# Altium PCB IMX6 DEV BOARD.PcbDoc (part 2 of 12) (continued)
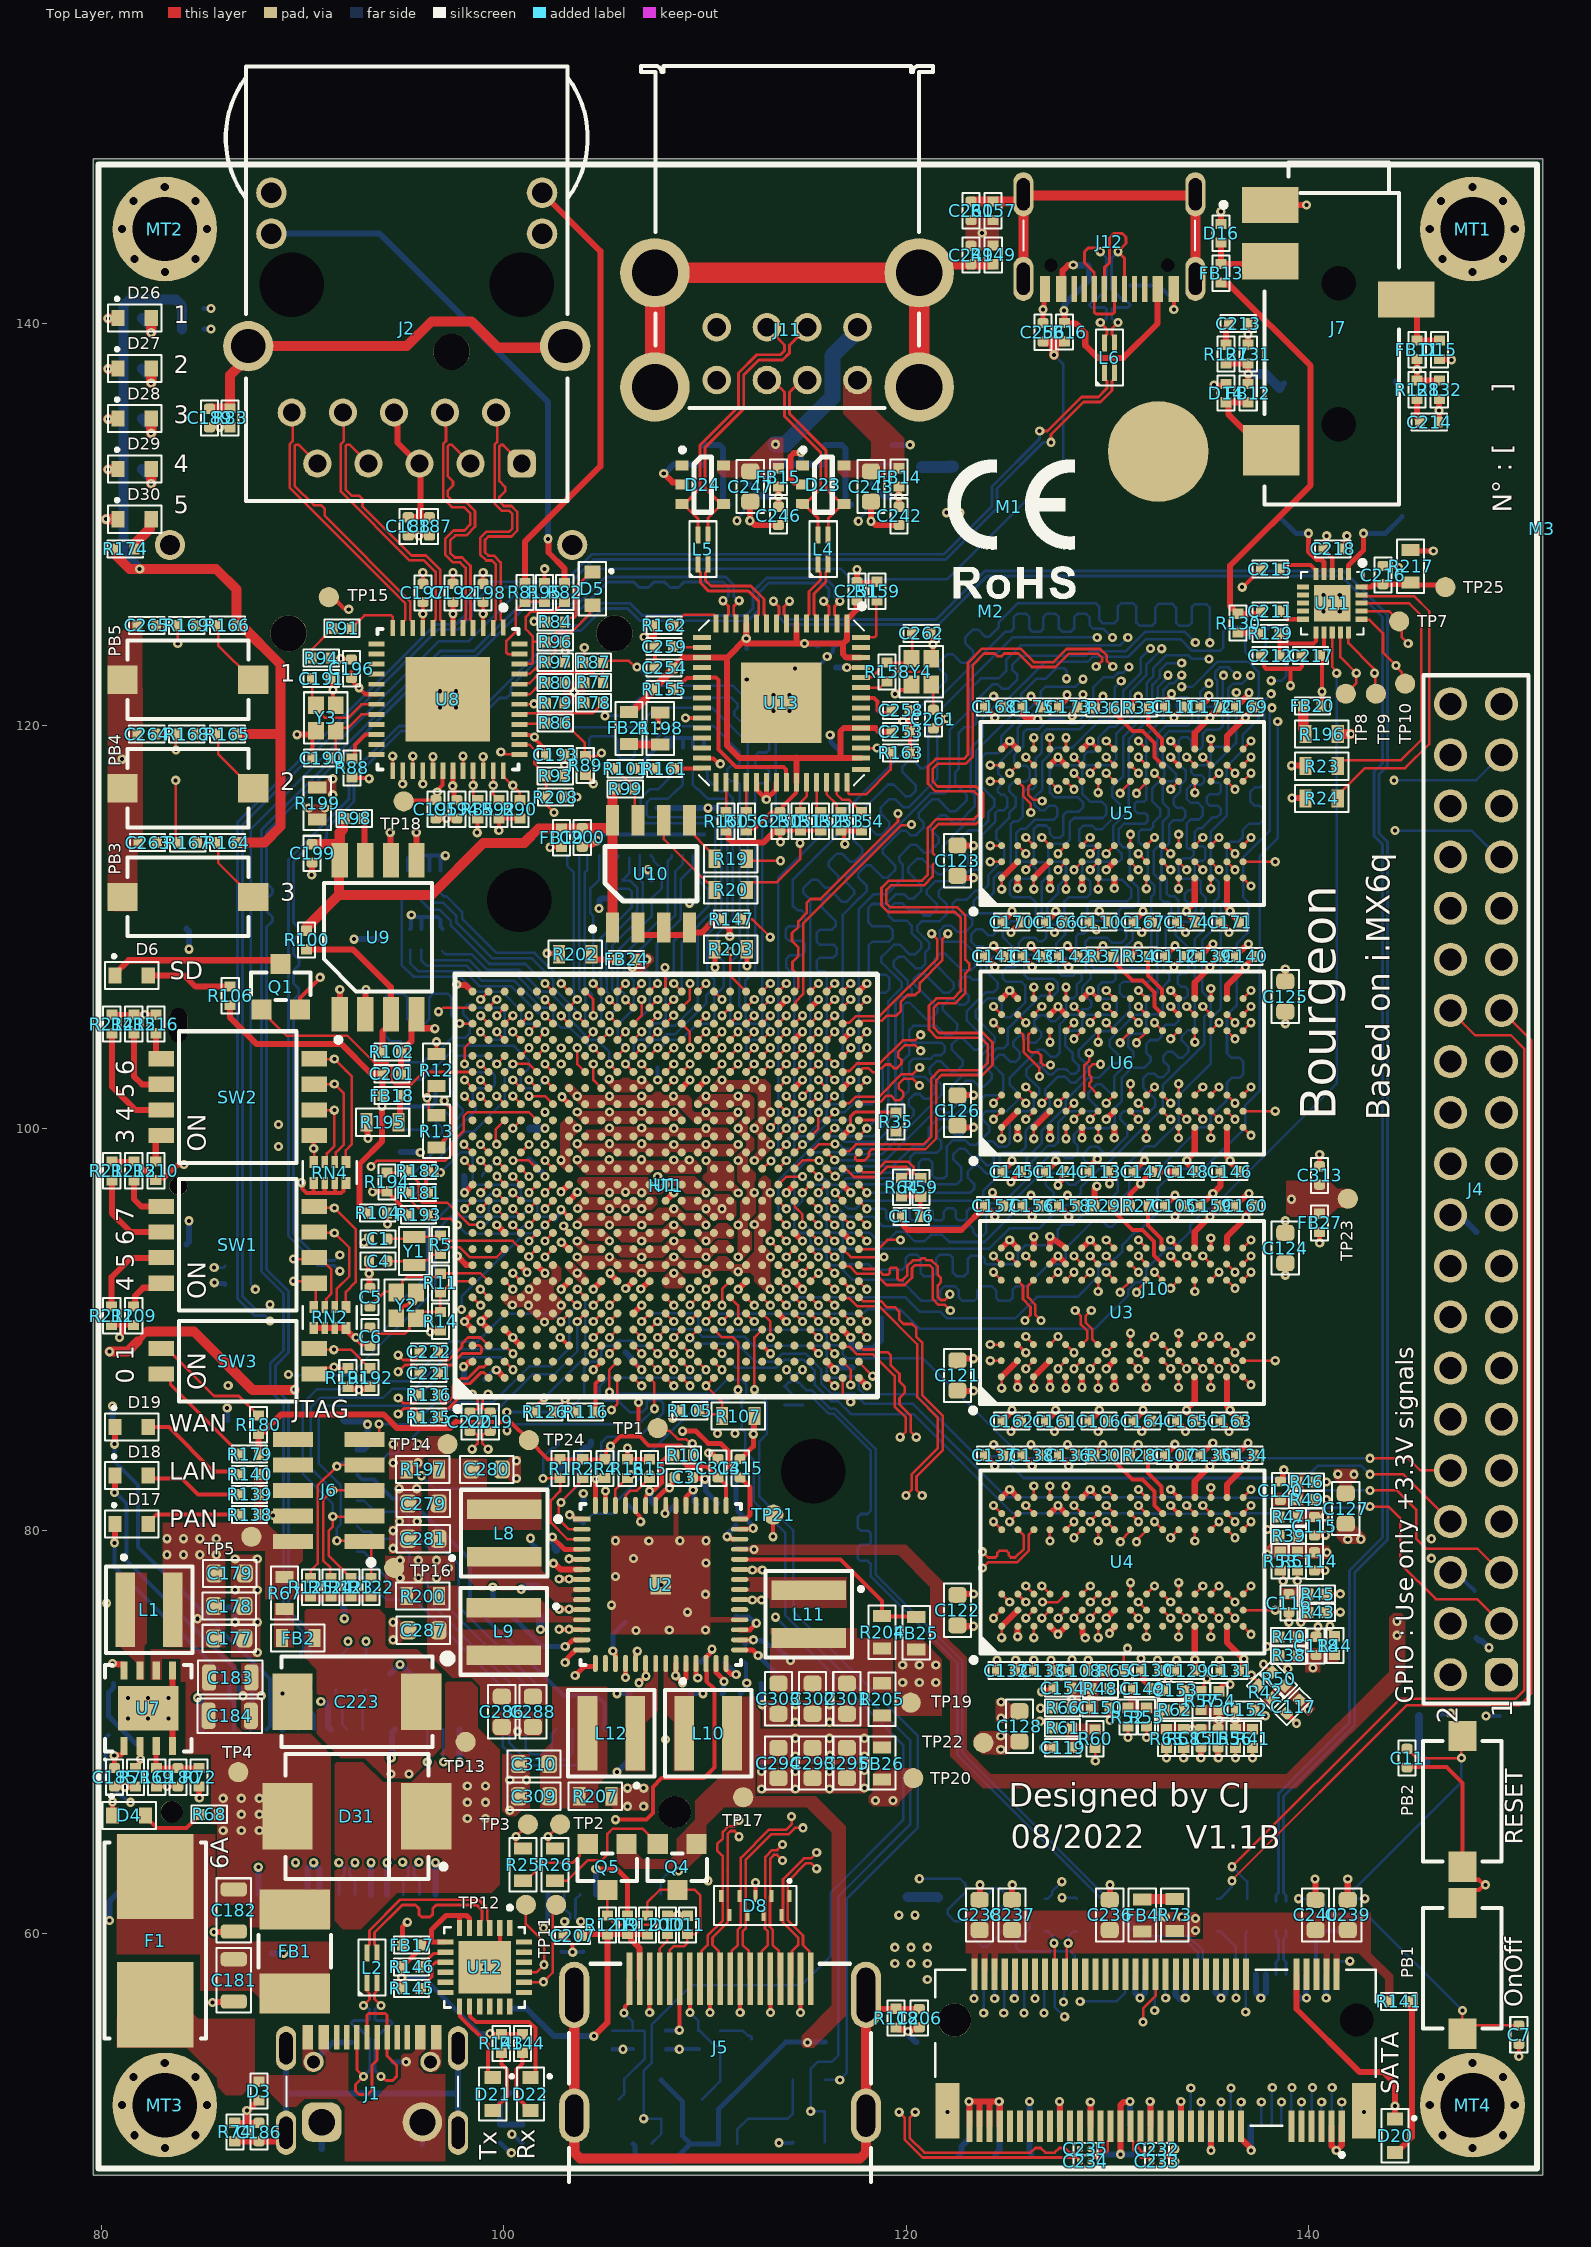
[diagram p0: Top Layer view]
## Footprints (in the part's own frame and the unit in brackets; to place one, negate y for a bottom-side part, rotate by r counter-clockwise, add the part's x,y. Pads: shape width x height; smd on the part's side, far side on the other; paste and mask are expansions set on the pad) (continued)
  silkscreen extent -11.27,-10.5 10.5,10.5, body extent -10.5,-10.5 10.5,10.5, height 2.03
"Fuse 1812/4532 MF-MSMF050-2" [mm]
  rect 1.5x3.2 smd: 1(0,0) 2(4.2,0)
  silkscreen extent 0.9,-1.6 3.3,1.6, body extent -0.17,-1.64 4.38,1.6, height 0.71
"Fuse holder SMD 01550900M" [mil]
  rect 167x150 smd paste+0 mask+0: 1(-120.5,5) 2(130.5,5)
  silkscreen extent -187,-94 197,104, body extent -208,-98 218,108, height 10
HDMI_685119134923 [mm]
  rect 0.28x2.6 smd: 1(4.5,5.325) 2(4,5.325) 3(3.5,5.325) 4(3,5.325) 5(2.5,5.325) 6(2,5.325) 7(1.5,5.325) 8(1,5.325) 9(0.5,5.325) 10(0,5.325) 11(-0.5,5.325) 12(-1,5.325) 13(-1.5,5.325) 14(-2,5.325) 15(-2.5,5.325) 16(-3,5.325) 17(-3.5,5.325) 18(-4,5.325) 19(-4.5,5.325)
  oval 1.5x2.7 hole 0.9 slot 2.1 at 90 deg: Shell(-7.25,-1.475) Shell(7.25,-1.475)
  oval 1.5x3.3 hole 0.9 slot 2.7 at 90 deg: Shell(-7.25,4.525) Shell(7.25,4.525)
  silkscreen extent -7.5,-4.78 7.5,6.07, body extent -7.55,-6.07 7.45,6.08, height 6.17
"header 2row x10" [mm] "Pin Header, pitch 1.27 mm, SMD, Vertical, dual row, 10p"
  rect 0.75x2 smd: 1(-2.54,-1.775) 2(-2.54,1.775) 3(-1.27,-1.775) 4(-1.27,1.775) 5(0,-1.775) 6(0,1.775) 7(1.27,-1.775) 8(1.27,1.775) 9(2.54,-1.775) 10(2.54,1.775)
  silkscreen extent -3.72,-2.25 -3.43,-1.95, body extent -3.17,-2.55 3.17,2.55, height 5.9
header_rasppi_61304021121 [mm]
  rrect50% 1.65x1.65 hole 1.1: 1(-30.48,0)
  round 1.65 hole 1.1: 2(-30.48,2.54) 3(-27.94,0) 4(-27.94,2.54) 5(-25.4,0) 6(-25.4,2.54) 7(-22.86,0) 8(-22.86,2.54) 9(-20.32,0) 10(-20.32,2.54) 11(-17.78,0) 12(-17.78,2.54) 13(-15.24,0) 14(-15.24,2.54) 15(-12.7,0) 16(-12.7,2.54) 17(-10.16,0) 18(-10.16,2.54) 19(-7.62,0) 20(-7.62,2.54) 21(-5.08,0) 22(-5.08,2.54) 23(-2.54,0) 24(-2.54,2.54) 25(0,0) 26(0,2.54) 27(2.54,0) 28(2.54,2.54) 29(5.08,0) 30(5.08,2.54) 31(7.62,0) 32(7.62,2.54) 33(10.16,0) 34(10.16,2.54) 35(12.7,0) 36(12.7,2.54) 37(15.24,0) 38(15.24,2.54) 39(17.78,0) 40(17.78,2.54)
  silkscreen extent -31.9,-1.35 19.2,3.89, body extent -31.74,-1.27 19.05,3.83, height 5.99
"Heatsink BGA 21x21mm" [mm]
  round 1.524 hole 3.2 mask+1.8: 1(-14.2,-7.3) 1(14.2,7.3)
  silkscreen extent -10.5,-10.5 10.5,10.5, body extent -17.8,-10.8 17.4,10.7, height 17.5
"inductor 0402/1005" [mil]
  rect 20x21.65 smd mask+2.76: 1(-18,0) 2(18,0)
  silkscreen extent -34,-17 34,17, body extent -20,-10 20,10, height 22
"inductor 0603/1603" [mm]
  rect 0.6x0.9 smd: 1(-0.8,0) 2(0.8,0)
  silkscreen extent -1.35,-0.68 1.3,0.67, body extent -0.8,-0.4 0.8,0.4, height 0.8
"inductor 4020 MAPI" [mm]
  rect 0.98x3.7 smd: 1(-1.185,0) 2(1.185,0)
  silkscreen extent -2.15,-2.15 2.15,2.7, body extent -2.05,-2.05 2.05,2.05, height 2.1
"inductor 4030 74438357047" [mm]
  rect 0.98x3.7 smd: 1(-1.185,0) 2(1.185,0)
  silkscreen extent -2.15,-2.15 2.15,2.7, body extent -2.05,-2.05 2.05,2.05, height 3.1
"inductor coupled usb 0603" [mm]
  rect 0.85x0.25 smd: 1(-0.725,0.25) 2(0.725,0.25) 3(0.725,-0.25) 4(-0.725,-0.25)
  silkscreen extent -1.38,-0.67 1.4,0.67, body extent -0.8,-0.42 0.8,0.43, height 1.09
IQXC-25 [mm] "Quartz Crystal, size IQXC-25, body 2x1mm"
  rect 0.6x1.1 smd: 1(-0.7,0) 2(0.7,0)
  silkscreen extent -1.2,-0.75 1.2,0.75, body extent -1,-0.6 1,0.6, height 0.55
IQXC-42 [mm] "Quartz Crystal, size IQXC-42, body 2x1.6mm"
  rect 0.875x0.775 smd: 1(-0.637,-0.487) 2(0.638,-0.487) 3(0.638,0.487) 4(-0.637,0.487)
  silkscreen extent -1.28,-1.08 1.28,1.07, body extent -1,-0.8 1,0.8, height 0.5
"Jack SJ-43514-SMT" [mm]
  rect 1.8x2.8 smd paste+0 mask+0: 1(-6.4,-3.05) 3(-1.7,3.7) 4(-3.6,-3.05)
  rect 2.5x2.8 smd paste+0 mask+0: 2(5.8,-3)
  round 0 hole 1.7 unplated paste-1000 mask+0: ""(-2.5,0.35) ""(4.5,0.35)
  silkscreen extent -8.5,-5.5 8.5,3.35, body extent -8.7,-4.14 8.5,4.86, height 5.11
"LED blue 0603" [mm]
  rect 0.65x0.8 smd: 1(-0.825,0) 2(0.825,0)
  silkscreen extent -1.32,-0.68 1.33,0.99, body extent -0.83,-0.4 0.78,0.4, height 0.8
"LED green 0603" [mm]
  rect 0.65x0.8 smd: 1(-0.75,0) 2(0.9,0)
  silkscreen extent -1.25,-0.67 1.4,0.99, body extent -0.7,-0.37 0.9,0.42, height 0.8
"LED red 0603" [mm]
  rect 0.65x0.8 smd: 1(-0.75,0) 2(0.9,0)
  silkscreen extent -1.25,-0.67 1.4,0.99, body extent -0.73,-0.37 0.88,0.42, height 0.8
"LED yellow 0603" [mm]
  rect 0.65x0.8 smd: 1(-0.75,0) 2(0.9,0)
  silkscreen extent -1.25,-0.67 1.4,0.99, body extent -0.7,-0.37 0.9,0.43, height 0.8
"MARKING CE" [mm]
  silkscreen extent -3.05,-2.14 3.27,2.33
"MARKING IP" [mm]
"MARKING number" [mm]
"MARKING ROHS" [mm]
  silkscreen extent -1.83,0.62 4.21,2.23
mini_PCIe_1775838-2 [mm]
  rect 0.6x2 smd: 1(-4.561,-4.354) 2(-4.161,3.846) 3(-3.761,-4.354) 4(-3.361,3.846) 5(-2.961,-4.354) 6(-2.561,3.846) 7(-2.161,-4.354) 8(-1.761,3.846) 9(-1.361,-4.354) 10(-0.961,3.846) 11(-0.561,-4.354) 12(-0.161,3.846) 13(0.239,-4.354) 14(0.639,3.846) 15(1.039,-4.354) 16(1.439,3.846) 17(5.039,-4.354) 18(5.439,3.846) 19(5.839,-4.354) 20(6.239,3.846) 21(6.639,-4.354) 22(7.039,3.846) 23(7.439,-4.354) 24(7.839,3.846) 25(8.239,-4.354) 26(8.639,3.846) 27(9.039,-4.354) 28(9.439,3.846) 29(9.839,-4.354) 30(10.239,3.846) 31(10.639,-4.354) 32(11.039,3.846) 33(11.439,-4.354) 34(11.839,3.846) 35(12.239,-4.354) 36(12.639,3.846) 37(13.039,-4.354) 38(13.439,3.846) 39(13.839,-4.354) 40(14.239,3.846) 41(14.639,-4.354) 42(15.039,3.846) 43(15.439,-4.354) 44(15.839,3.846) 45(16.239,-4.354) 46(16.639,3.846) 47(17.039,-4.354) 48(17.439,3.846) 49(17.839,-4.354) 50(18.239,3.846) 51(18.639,-4.354) 52(19.039,3.846)
  rect 2.3x3.2 smd: SH1(-7.411,-3.754) SH2(21.889,-3.754)
  round 1.6 hole 1.6 unplated: ""(-5.261,-0.254)
  round 5 smd: ""(19.3,47.8) ""(19.339,23.646)
  round 1.1 hole 1.1 unplated: ""(19.739,-0.254)
  silkscreen extent -7.71,-6.25 22.19,5.17, body extent -7.65,-4.7 22.25,49.97, height 5.58
MMPF0100 [mm]
  rect 0.861x0.242 smd paste+0 mask+0: 1(-3.926,3.25)
  rrect100% 0.861x0.242 smd paste+0 mask+0: 2(-3.926,2.75) 3(-3.926,2.25) 4(-3.926,1.75) 5(-3.926,1.25) 6(-3.926,0.75) 7(-3.926,0.25) 8(-3.926,-0.25) 9(-3.926,-0.75) 10(-3.926,-1.25) 11(-3.926,-1.75) 12(-3.926,-2.25) 13(-3.926,-2.75) 14(-3.926,-3.25) 29(3.926,-3.25) 30(3.926,-2.75) 31(3.926,-2.25) 32(3.926,-1.75) 33(3.926,-1.25) 34(3.926,-0.75) 35(3.926,-0.25) 36(3.926,0.25) 37(3.926,0.75) 38(3.926,1.25) 39(3.926,1.75) 40(3.926,2.25) 41(3.926,2.75) 42(3.926,3.25)
  rrect100% 0.242x0.861 smd paste+0 mask+0: 15(-3.25,-3.926) 16(-2.75,-3.926) 17(-2.25,-3.926) 18(-1.75,-3.926) 19(-1.25,-3.926) 20(-0.75,-3.926) 21(-0.25,-3.926) 22(0.25,-3.926) 23(0.75,-3.926) 24(1.25,-3.926) 25(1.75,-3.926) 26(2.25,-3.926) 27(2.75,-3.926) 28(3.25,-3.926) 43(3.25,3.926) 44(2.75,3.926) 45(2.25,3.926) 46(1.75,3.926) 47(1.25,3.926) 48(0.75,3.926) 49(0.25,3.926) 50(-0.25,3.926) 51(-0.75,3.926) 52(-1.25,3.926) 53(-1.75,3.926) 54(-2.25,3.926) 55(-2.75,3.926) 56(-3.25,3.926)
  rect 1x1 smd paste-1000 mask+0: 57(0,0)
  silkscreen extent -5.22,-4 4,4, body extent -4.01,-4.01 4.01,4.01, height 1
mountinghole [mm]
  round 5.2 hole 3.2: 0(0,0)
"nano SIM 693043020611" [mm]
  rect 0.65x1.3 smd: C1(1.91,6.3) C2(-0.63,6.3) C3(-1.9,6.3) C5(3.18,6.3) C6(0.64,6.3) C7(-3.17,6.3)
  rect 0.48x1.8 smd: Shield(-4.67,-0.17) Shield(-4.67,5.58) Shield(4.66,-0.17) Shield(4.66,5.58)
  rect 1.03x1 smd: Shield(-4.465,-5.89) Shield(4.465,-5.89)
  silkscreen extent -4.93,-6.25 4.93,4.35, body extent -4.93,-6.25 4.94,6.25, height 1.2
pb_434121025816 [mm]
  rect 1.5x1.4 smd: 1(-3.8,0) 2(2.7,0)
  silkscreen extent -3.55,-1.95 2.45,1.95, body extent -4.2,-1.95 3.1,1.95, height 2.5
QFN20 [mm] "QFN, 20-Leads, Body 3,00x3,00mm, Pitch 0,40mm, Thermal Pad 1,80x1,80mm, IPC Medium Density"
  rect 0.6x0.25 smd: 1(-1.45,0.8) 2(-1.45,0.4) 3(-1.45,0) 4(-1.45,-0.4) 5(-1.45,-0.8) 11(1.45,-0.8) 12(1.45,-0.4) 13(1.45,0) 14(1.45,0.4) 15(1.45,0.8)
  rect 0.25x0.6 smd: 6(-0.8,-1.45) 7(-0.4,-1.45) 8(0,-1.45) 9(0.4,-1.45) 10(0.8,-1.45) 16(0.8,1.45) 17(0.4,1.45) 18(0,1.45) 19(-0.4,1.45) 20(-0.8,1.45)
  rect 1.8x1.8 smd: 21(0,0)
  silkscreen extent -2.12,-1.55 1.55,1.63, body extent -1.5,-1.5 1.5,1.5, height 0.6
QFN24 [mm]
  rect 0.81x0.26 smd: 1(-1.95,1.25) 2(-1.95,0.75) 3(-1.95,0.25) 4(-1.95,-0.25) 5(-1.95,-0.75) 6(-1.95,-1.25) 13(1.95,-1.25) 14(1.95,-0.75) 15(1.95,-0.25) 16(1.95,0.25) 17(1.95,0.75) 18(1.95,1.25)
  rect 0.26x0.81 smd: 7(-1.25,-1.95) 8(-0.75,-1.95) 9(-0.25,-1.95) 10(0.25,-1.95) 11(0.75,-1.95) 12(1.25,-1.95) 19(1.25,1.95) 20(0.75,1.95) 21(0.25,1.95) 22(-0.25,1.95) 23(-0.75,1.95) 24(-1.25,1.95)
  rect 2.6x2.6 smd paste-2: 25(0,0)
  silkscreen extent -3.06,-2 2,2, body extent -2,-2 2,2
QFN48 [mm]
  rect 0.8x0.239 smd paste+0: 1(-3.563,2.75) 2(-3.551,2.25) 3(-3.551,1.75) 4(-3.551,1.25) 5(-3.551,0.75) 6(-3.551,0.25) 7(-3.551,-0.25) 8(-3.551,-0.75) 9(-3.551,-1.25) 10(-3.551,-1.75) 11(-3.551,-2.25) 12(-3.551,-2.75) 25(3.551,-2.75) 26(3.551,-2.25) 27(3.551,-1.75) 28(3.551,-1.25) 29(3.551,-0.75) 30(3.551,-0.25) 31(3.551,0.25) 32(3.551,0.75) 33(3.551,1.25) 34(3.551,1.75) 35(3.551,2.25) 36(3.551,2.75)
  rect 0.239x0.8 smd paste+0: 13(-2.75,-3.551) 14(-2.25,-3.551) 15(-1.75,-3.551) 16(-1.25,-3.551) 17(-0.75,-3.551) 18(-0.25,-3.551) 19(0.25,-3.551) 20(0.75,-3.551) 21(1.25,-3.551) 22(1.75,-3.551) 23(2.25,-3.551) 24(2.75,-3.551) 37(2.75,3.551) 38(2.25,3.551) 39(1.75,3.551) 40(1.25,3.551) 41(0.75,3.551) 42(0.25,3.551) 43(-0.25,3.551) 44(-0.75,3.551) 45(-1.25,3.551) 46(-1.75,3.551) 47(-2.25,3.551) 48(-2.75,3.551)
  rect 4.2x4.2 smd paste-1000 mask+0: 49(0,0)
  silkscreen extent -4.68,-3.5 3.5,3.5, body extent -3.5,-3.5 3.5,3.5, height 1.02
QFN56 [mm]
  rect 0.9x0.25 smd: 1(-3.95,3.25) 2(-3.95,2.75) 3(-3.95,2.25) 4(-3.95,1.75) 5(-3.95,1.25) 6(-3.95,0.75) 7(-3.95,0.25) 8(-3.95,-0.25) 9(-3.95,-0.75) 10(-3.95,-1.25) 11(-3.95,-1.75) 12(-3.95,-2.25) 13(-3.95,-2.75) 14(-3.95,-3.25) 29(3.95,-3.25) 30(3.95,-2.75) 31(3.95,-2.25) 32(3.95,-1.75) 33(3.95,-1.25) 34(3.95,-0.75) 35(3.95,-0.25) 36(3.95,0.25) 37(3.95,0.75) 38(3.95,1.25) 39(3.95,1.75) 40(3.95,2.25) 41(3.95,2.75) 42(3.95,3.25)
  rect 0.25x0.9 smd: 15(-3.25,-3.95) 16(-2.75,-3.95) 17(-2.25,-3.95) 18(-1.75,-3.95) 19(-1.25,-3.95) 20(-0.75,-3.95) 21(-0.25,-3.95) 22(0.25,-3.95) 23(0.75,-3.95) 24(1.25,-3.95) 25(1.75,-3.95) 26(2.25,-3.95) 27(2.75,-3.95) 28(3.25,-3.95) 43(3.325,3.95) 44(2.75,3.95) 45(2.25,3.95) 46(1.75,3.95) 47(1.25,3.95) 48(0.75,3.95) 49(0.25,3.95) 50(-0.25,3.95) 51(-0.75,3.95) 52(-1.25,3.95) 53(-1.75,3.95) 54(-2.25,3.95) 55(-2.75,3.95) 56(-3.25,3.95)
  rect 4x4 smd: 57(0,0)
  silkscreen extent -4.92,-4.1 4.1,4.13, body extent -4,-3.99 4.03,4.04, height 0.95
"Res 0402/1005" [mm]
  rect 0.508x0.55 smd mask+0.07: 1(-0.45,0) 2(0.475,0)
  silkscreen extent -0.86,-0.42 0.89,0.43, body extent -0.47,-0.25 0.53,0.25, height 0.35
"Res 0603/1603" [mm]
  rect 0.6x0.9 smd: 1(-0.8,0) 2(0.8,0)
  silkscreen extent -1.33,-0.67 1.32,0.68, body extent -0.8,-0.4 0.8,0.4, height 0.45
"res net x4  EXB-28V103JX" [mm]
  rect 0.6x0.44 smd: 1(-0.52,0.8) 4(-0.52,-0.8) 5(0.52,-0.8) 8(0.52,0.8)
  rect 0.6x0.34 smd: 2(-0.52,0.25) 3(-0.52,-0.25) 6(0.52,-0.25) 7(0.52,0.25)
  silkscreen extent -0.55,-1.33 0.55,1.33, body extent -0.5,-1 0.5,1, height 0.45
"RJ45 7499111447" [mm]
  rrect50% 1.4x1.4 hole 0.89: 1(-5.715,8.99)
  round 1.4 hole 0.89: 2(-4.445,6.45) 3(-3.175,8.99) 4(-1.905,6.45) 5(-0.635,8.99) 6(0.635,6.45) 7(1.905,8.99) 8(3.175,6.45) 9(4.445,8.99) 10(5.715,6.45)
  round 1.52 hole 1.02: 11(-6.725,-2.44) 12(-6.725,-4.47) 13(6.725,-2.44) 14(6.725,-4.47)
  round 2 hole 3.2 unplated: MH1(-5.715,0.1) MH2(5.715,0.1)
  round 2.5 hole 1.7: Shell(-7.875,3.15) Shell(7.875,3.15)
  silkscreen extent -9,-10.75 9,10.85, body extent -8.96,-10.75 8.96,10.85, height 14.65
"SATA_M2_ 2199230-3" [mm]
  rect 0.3x1.55 smd: 1(-9.123,3.243) 2(-8.873,-4.307) 3(-8.623,3.243) 4(-8.373,-4.307) 5(-8.123,3.243) 6(-7.873,-4.307) 7(-7.623,3.243) 8(-7.373,-4.307) 9(-7.123,3.243) 10(-6.873,-4.307) 11(-6.623,3.243) 20(-4.373,-4.307) 21(-4.123,3.243) 22(-3.873,-4.307) 23(-3.623,3.243) 24(-3.373,-4.307) 25(-3.123,3.243) 26(-2.873,-4.307) 27(-2.623,3.243) 28(-2.373,-4.307) 29(-2.123,3.243) 30(-1.873,-4.307) 31(-1.623,3.243) 32(-1.373,-4.307) 33(-1.123,3.243) 34(-0.873,-4.307) 35(-0.623,3.243) 36(-0.373,-4.307) 37(-0.123,3.243) 38(0.127,-4.307) 39(0.377,3.243) 40(0.627,-4.307) 41(0.877,3.243) 42(1.127,-4.307) 43(1.377,3.243) 44(1.627,-4.307) 45(1.877,3.243) 46(2.127,-4.307) 47(2.377,3.243) 48(2.627,-4.307) 49(2.877,3.243) 50(3.127,-4.307) 51(3.377,3.243) 52(3.627,-4.307) 53(3.877,3.243) 54(4.127,-4.307) 55(4.377,3.243) 56(4.627,-4.307) 57(4.877,3.243) 58(5.127,-4.307) 59(5.377,3.243) 60(5.627,-4.307) 61(5.877,3.243) 62(6.127,-4.307) 63(6.377,3.243) 64(6.627,-4.307) 65(6.877,3.243) 66(7.127,-4.307) 67(7.377,3.243) 68(7.627,-4.307) 69(7.877,3.243) 70(8.127,-4.307) 71(8.377,3.243) 72(8.627,-4.307) 73(8.877,3.243) 74(9.127,-4.307) 75(9.377,3.243)
  rect 0.3x1.55 smd far side: 1A(9.4,3.25) 2A(9.15,-4.3) 3A(8.9,3.25) 4A(8.65,-4.3) 5A(8.4,3.25) 6A(8.15,-4.3) 7A(7.9,3.25) 8A(7.65,-4.3) 9A(7.4,3.25) 10A(7.15,-4.3) 11A(6.9,3.25) 12A(6.65,-4.3) 13A(6.4,3.25) 14A(6.15,-4.3) 15A(5.9,3.25) 16A(5.65,-4.3) 17A(5.4,3.25) 18A(5.15,-4.3) 19A(4.9,3.25) 20A(4.65,-4.3) 21A(4.4,3.25) 22A(4.15,-4.3) 23A(3.9,3.25) 32A(1.65,-4.3) 33A(1.4,3.25) 34A(1.15,-4.3) 35A(0.9,3.25) 36A(0.65,-4.3) 37A(0.4,3.25) 38A(0.15,-4.3) 39A(-0.1,3.25) 40A(-0.35,-4.3) 41A(-0.6,3.25) 42A(-0.85,-4.3) 43A(-1.1,3.25) 44A(-1.35,-4.3) 45A(-1.6,3.25) 46A(-1.85,-4.3) 47A(-2.1,3.25) 48A(-2.35,-4.3) 49A(-2.6,3.25) 50A(-2.85,-4.3) 51A(-3.1,3.25) 52A(-3.35,-4.3) 53A(-3.6,3.25) 54A(-3.85,-4.3) 55A(-4.1,3.25) 56A(-4.35,-4.3) 57A(-4.6,3.25) 58A(-4.85,-4.3) 59A(-5.1,3.25) 60A(-5.35,-4.3) 61A(-5.6,3.25) 62A(-5.85,-4.3) 63A(-6.1,3.25) 64A(-6.35,-4.3) 65A(-6.6,3.25) 66A(-6.85,-4.3) 67A(-7.1,3.25) 68A(-7.35,-4.3) 69A(-7.6,3.25) 70A(-7.85,-4.3) 71A(-8.1,3.25) 72A(-8.35,-4.3) 73A(-8.6,3.25) 74A(-8.85,-4.3) 75A(-9.1,3.25)
  rect 1.2x2.75 smd: S1(-10.223,2.468) S2(10.477,2.468)
  rrect15% 1.2x2.75 smd far side: SHIELDA(-10.2,2.475) SHIELDA(10.5,2.475)
  round 1.15 hole 1.65 unplated: ""(-9.873,-2.032)
  round 5 smd far side: ""(0,-79.95)
  round 5 smd: ""(0,-80)
  round 1.65 hole 1.65 unplated: ""(10.127,-2.032)
  silkscreen extent -10.82,-4.53 11.08,4.77, body extent -10.82,-82.15 11.17,3.8, height 4.2
SD_micro_693071020811 [mm]
  rect 0.7x1.9 smd: 1(2.25,7.8) 2(1.15,7.8) 3(0.05,7.8) 4(-1.05,7.8) 5(-2.15,7.8) 6(-3.25,7.8) 7(-4.35,7.8) 8(-5.45,7.8) 9(-6.55,7.8)
  rect 1.7x1.8 smd: 10(-8.1,6.75) 12(7.4,6.75)
  rect 1.4x2.6 smd: 11(-7.85,-2.85) 13(7.85,-2.85)
  round 0.9 hole 0.9 unplated: ""(-4.95,-3.25)
  oval 1.7x0.9 hole 0.9 slot 1.7 at 0 deg unplated: ""(3.05,-3.25)
  silkscreen extent -7.35,-7.2 7.35,7.3, body extent -8.2,-7.25 8.2,7.78, height 1.85
"SOIC 8 pin FLSH (longer)" [mm]
  rect 1.7x0.8 smd paste-1000: 1(-3.825,1.905) 2(-3.825,0.635) 3(-3.825,-0.635) 4(-3.825,-1.905) 5(3.825,-1.905) 6(3.825,-0.635) 7(3.825,0.635) 8(3.825,1.905)
  silkscreen extent -5.22,-2.69 2.69,2.69, body extent -5,-2.79 5,2.79, height 0.25
soic-8 [mm]
  rect 1.5x0.65 smd: 1(0.075,0) 2(0.075,-1.27) 3(0.075,-2.54) 4(0.075,-3.81) 5(5.416,-3.81) 6(5.416,-2.54) 7(5.416,-1.27) 8(5.416,0)
  silkscreen extent -0.1,-4.19 4.1,1.1, body extent -0.2,-4.35 5.8,0.55, height 1.75
"SON 4x4 ST1S40" [mm] "SON, 8-Leads, Body 4,00x4,00mm, Pitch 0,80mm, Thermal Pad 3,00x2,20mm, IPC Medium Density"
  rect 0.9x0.35 smd: 1(-1.88,1.2) 2(-1.88,0.4) 3(-1.88,-0.4) 4(-1.88,-1.2) 5(1.88,-1.2) 6(1.88,-0.4) 7(1.88,0.4) 8(1.88,1.2)
  rect 2.2x3 smd paste-1.1: 9(0,0)
  silkscreen extent -2.6,-2.15 2.15,2.2, body extent -2,-2 2,2, height 0.9
"Sot-23-3 mosfet" [mm]
  rect 1x1 smd: D(0,1.075) G(-0.95,-1.2) S(0.975,-1.2)
  silkscreen extent -1.48,-0.72 1.48,0.64, body extent -1.48,-1.3 1.53,1.2, height 1.08
Sot-23-5 [mil]
  rect 20x25 smd: 1(15,8.86) 2(52,8.86) 3(90,8.86) 4(90,90.16) 5(15,90.16)
  silkscreen extent -20,6 106,67, body extent -7,1 111,99, height 42
SOt-23-6 [mm]
  rect 0.9x0.6 smd: 1(0,0) 2(0,-0.965) 3(0,-1.93) 4(2.163,-1.93) 5(2.163,-0.965) 6(2.163,0)
  silkscreen extent -0.22,-2.2 1.45,0.82, body extent -0.12,-2.35 2.3,0.45, height 1.09
"testpoint 1mm" [mm]
  round 1 smd: 1(0,0)
"TVS 8 pin" [mm]
  rect 0.2x0.6 smd: 1(-1.7,-0.475) 2(-0.8,-0.475) 3(0,-0.475) 4(0.8,-0.475) 5(1.7,-0.475) 6(1.3,0.475) 7(0.4,0.475) 8(-0.4,0.475) 9(-1.3,0.475)
  silkscreen extent -2.05,-1.3 2.05,0.98, body extent -1.9,-0.5 1.9,0.5, height 0.5
"USB C 12 PIN 629722000214" [mm]
  oval 1x2.2 hole 0.65 slot 1.6 at 90 deg: 0(-4.275,-0.35) 0(-4.275,-4.55) 0(4.275,-0.35) 0(4.275,-4.55)
  rect 0.52x1.3 smd: 1(-3.2,0.15) 2(-2.4,0.15) 11(2.4,0.15) 12(3.2,0.15)
  rect 0.27x1.3 smd: 3(-1.75,0.15) 4(-1.25,0.15) 5(-0.75,0.15) 6(-0.25,0.15) 7(0.25,0.15) 8(0.75,0.15) 9(1.25,0.15) 10(1.75,0.15)
  round 0 hole 0.65: ""(-2.9,-1.025) ""(2.9,-1.025)
  silkscreen extent -4.25,-3.25 4.28,-1.75, body extent -4.76,-7.27 4.82,0.44, height 3.28
"USB C 12 Pin EXT 629722000214" [mm]
  oval 1x2.2 hole 0.65 slot 1.6 at 90 deg: 0(-4.275,-4.55) 0(-4.275,-0.35) 0(4.275,-4.55) 0(4.275,-0.35)
  rect 0.52x1.2 smd: 1(-3.2,0.2) 2(-2.4,0.2) 11(2.4,0.2) 12(3.2,0.2)
  round 1 hole 0.65 mask+0.102: 1(-2.9,-1.025) 12(2.9,-1.025)
  rect 1.8x1.5 smd far side: 1(-2.5,-5.355)
  rrect50% 1.95x1.95 hole 1.3 mask+0.102: 1(-2.5,-4.025)
  rect 1.8x1.9 smd far side: 2(2.49,-5.155)
  round 1.95 hole 1.3 mask+0.102: 2(2.5,-4.025)
  rect 0.27x1.2 smd: 3(-1.75,0.2) 4(-1.25,0.2) 5(-0.75,0.2) 6(-0.25,0.2) 7(0.25,0.2) 8(0.75,0.2) 9(1.25,0.2) 10(1.75,0.2)
  silkscreen extent -4.25,-3.25 4.28,-1.75, body extent -4.76,-7.27 4.82,0.44, height 3.28
USBA_stacked_61400826021 [mm]
  round 1.42 hole 0.92: A1(3.07,-0.35) A2(5.57,-0.35) A3(7.57,-0.35) A4(10.07,-0.35) B1(3.07,-2.97) B2(5.57,-2.97) B3(7.57,-2.97) B4(10.07,-2.97)
  round 3.45 hole 2.3: Shell(0,0) Shell(0,-5.68) Shell(13.14,0) Shell(13.14,-5.68)
  silkscreen extent -0.68,-15.96 13.82,1.04, body extent -1.34,-15.96 14.48,1.19, height 15.99